# KiCad board forti proto.kicad_pcb (continued)
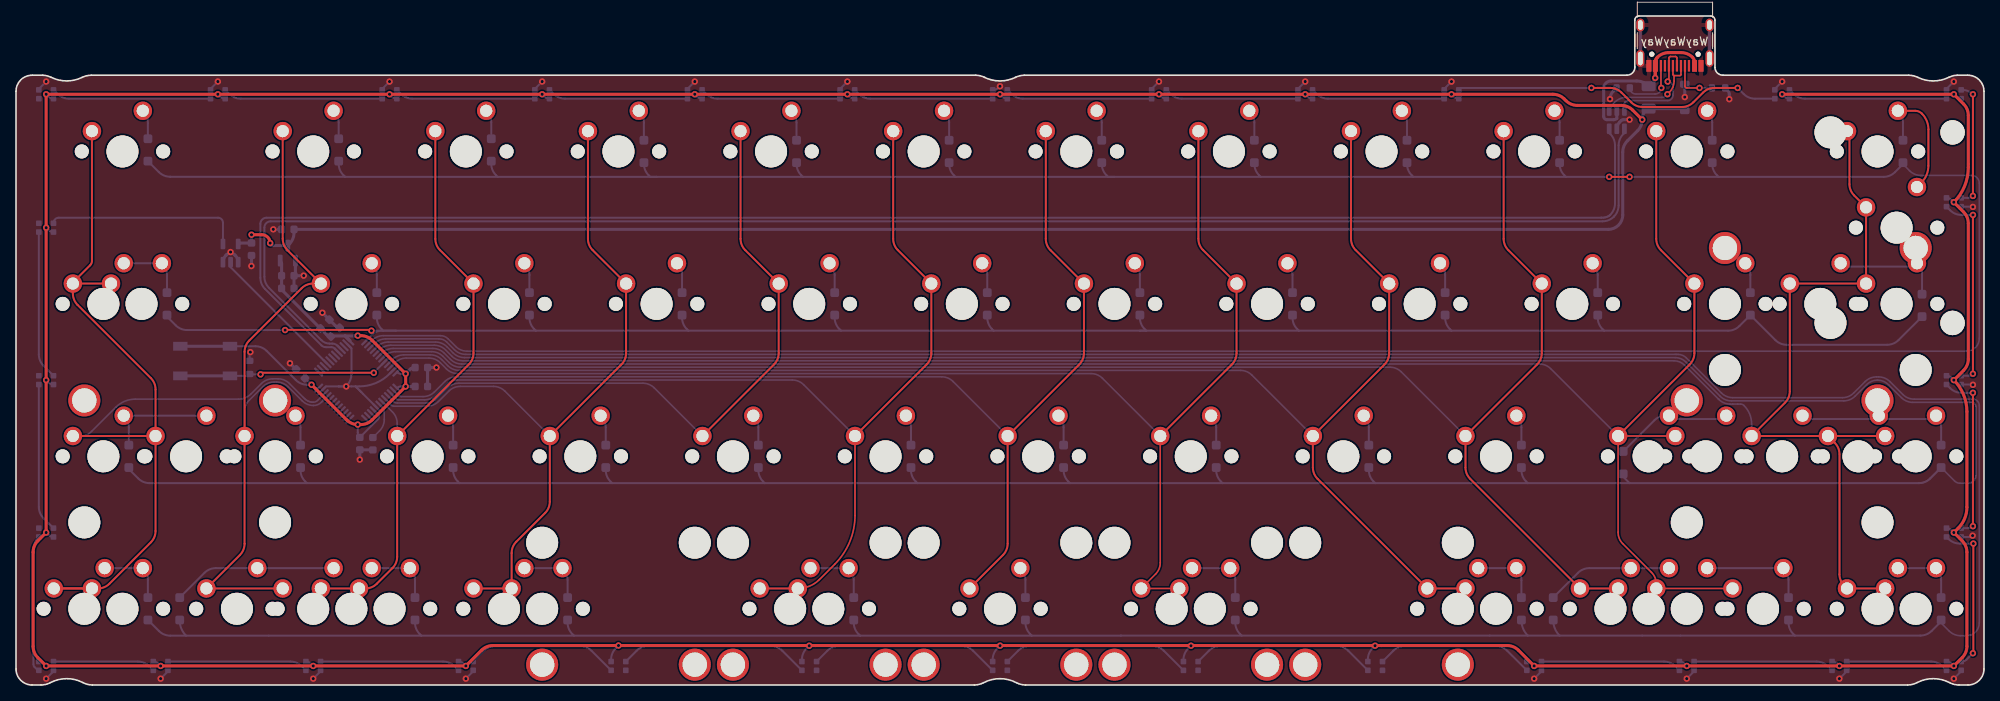
[diagram p0: board, top side]
## Routing (per net, layer and track width the routed paths; a pad name or vN(x,y) marks a point on that pad's centre or on a via; arc(x,y) is an arc through that point) (continued)
Net-(LED27-DIN): length 20
  Bottom w0.25: LED31.1 6.61,73.27 arc(5.84,73.42) 5.19,73.85 LED27.3
Net-(LED28-DIN): length 23.9
  Bottom w0.25: LED9.1 101.28,4.28 arc(101.92,4.71) 102.69,4.87 118.05,4.87 arc(118.81,4.71) 119.46,4.28 LED28.3

## Copper pours and planes (outline as drawn; the poured copper is in the pictures)
GND on Top, Bottom: -7.35,87.31 249.03,87.31 252.21,-7.94 -4.17,-7.94

## Text on the board
B.Mask: design by xonuss & xezioh | pcb by calvin0563
B.Silkscreen: 1 | stepped | 1.25 | 1.5 | (1.5) | 1.75 | 2.25 | 2.75 | 7 | ISO
User.Comments: centre
F.Silkscreen: WayWayWay
